# Allegro board PSU-C2-6Layers-Aug8.brd (continued)
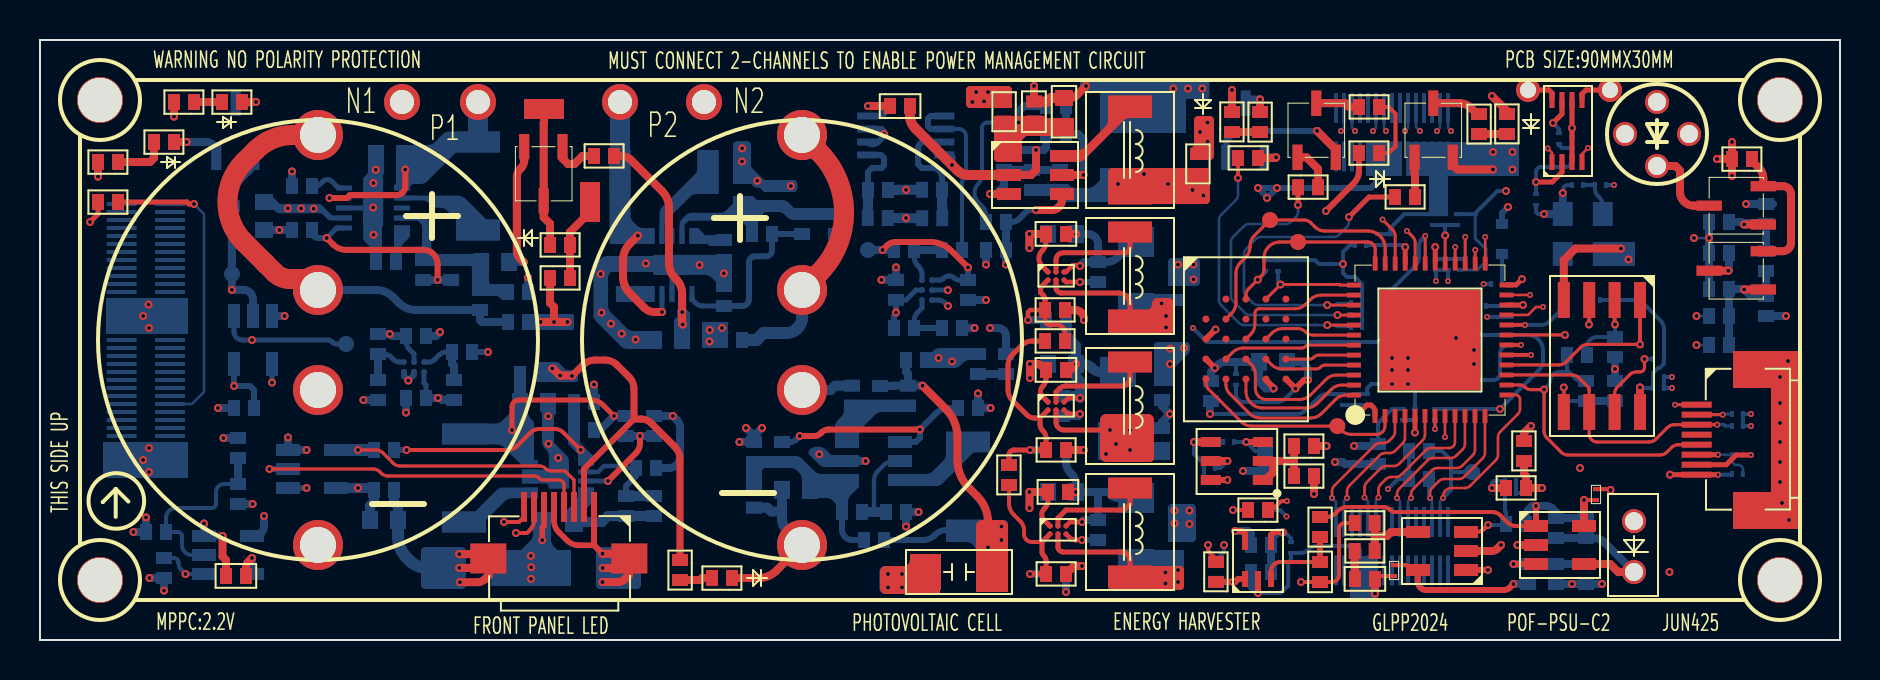
[diagram p0: board, top side]
## Routing (per net, layer and track width the routed paths; a pad name or vN(x,y) marks a point on that pad's centre or on a via; arc(x,y) is an arc through that point) (continued)
EIO-6: length 9
  TOP w0.15: U4.26 v2(71.76,19.5)
  SIG1 w0.127: v2(69,25.45) 69,24.31 arc(69.03,24.16) 69.11,24.04 71.65,21.5 arc(71.73,21.38) 71.76,21.23 v2(71.76,19.5)
  BOTTOM w0.127: v2(69,25.45) 68.8,25.65 J6.10
EIO-7: length 9.2
  TOP w0.15: v2(70.76,19.65) U4.28
  SIG1 w0.127: v2(67.3,25.45) 67.3,24.31 arc(67.33,24.16) 67.41,24.04 70.65,20.8 arc(70.73,20.68) 70.76,20.53 v2(70.76,19.65)
  BOTTOM w0.127: J6.18 67.2,25.55 v2(67.3,25.45)
EIO-8: length 12.9
  TOP w0.15: v2(69.26,20.2) U4.31
  SIG1 w0.127: v2(66.65,25.45) 66.65,23.76 arc(66.68,23.61) 66.76,23.49 69.15,21.1 arc(69.23,20.98) 69.26,20.83 v2(69.26,20.2)
  BOTTOM w0.127: v2(66.65,25.45) 66.8,25.6 J6.20
  BOTTOM w0.2: R23.2 67.45,17.17 arc(67.49,17.37) 67.61,17.55 68.77,18.71 arc(68.9,18.91) 68.95,19.14 68.95,19.69 arc(68.99,19.87) 69.09,20.03 v2(69.26,20.2)
EXT_24MHZ: length 5.8
  TOP w0.2: U4.20 v2(74.25,15.75)
  BOTTOM w0.2: v2(74.25,15.75) 75.05,15.75 arc(75.28,15.8) 75.48,15.93 75.96,16.41 arc(76.09,16.61) 76.14,16.84 Y2.3
FF2_SCK: length 14.4
  TOP w0.16: v2(83.86,10.77) J1.3 81.71,10.77 arc(81.53,10.73) 81.38,10.63 80.79,10.04 arc(80.63,9.94) 80.45,9.9 77.85,9.9 arc(77.58,10.02) 77.46,10.29 U5.6 77.46,12.49 77.45,12.5 77.45,12.6 76.94,13.11 arc(76.78,13.22) 76.6,13.25 U4.15
  BOTTOM w0.16: v2(83.86,10.77) 84.2,10.77 84.27,10.7 R77.1
FF2_SS: length 17.4
  TOP w0.16: J1.2 v2(84.13,11.27) ; v1(80,14.78) 77.38,14.78 arc(77.19,14.74) 77.04,14.64 76.29,13.89 arc(76.14,13.79) 75.95,13.75 U4.16
  TOP w0.2: U5.1 v1(80,14.78)
  SIG1 w0.16: v2(84.13,11.27) 84.13,11.78 arc(83.97,12.18) 83.56,12.35 83.12,12.35 arc(82.57,12.57) 82.35,13.12 82.35,13.45 arc(82.31,13.63) 82.21,13.79 81.36,14.64 arc(81.21,14.74) 81.02,14.78 v1(80,14.78)
  BOTTOM w0.16: v2(84.13,11.27) 84.17,11.3 R51.1
FL2_MISO: length 3.9
  TOP w0.2: U5.2 78.73,15.87 78.75,15.85 v1(78.75,15.78)
  BOTTOM w0.2: v1(78.75,15.78) R69.1 77.85,15.15 arc(77.5,15) 77.35,14.65 R66.1
FL2_MOSI: length 4.4
  TOP w0.16: U5.5 v1(76.19,12.63)
  BOTTOM w0.2: R74.2 76.44,11.95 arc(76.36,11.97) 76.28,12.02 76.26,12.04 arc(76.21,12.12) 76.19,12.2 v1(76.19,12.63)
  BOTTOM w0.4: R74.2 R76.2
FL2_RST: length 3.9
  TOP w0.16: U5.7 78.73,12.31 arc(78.77,12.49) 78.87,12.65 79.49,13.27 arc(79.65,13.37) 79.83,13.41 80.01,13.41 arc(80.16,13.47) 80.22,13.62 v1(80.22,14.05)
  BOTTOM w0.2: R68.1 v1(80.22,14.05)
FL2_WP: length 2.5
  TOP w0.2: v1(77.45,15.77) 77.45,15.95 77.46,15.96 U5.3
  BOTTOM w0.2: R45.1 v1(77.45,15.77)
FP2_RST: length 18.1
  TOP w0.127: 70.25,11.2 v2(70.25,10.15)
  TOP w0.25: J1.6 v2(83.9,9.27)
  SIG1 w0.127: v2(70.25,10.15) 70.64,10.15 arc(70.79,10.12) 70.91,10.04 71.29,9.66 arc(71.41,9.58) 71.56,9.55 79.94,9.55 arc(80.09,9.52) 80.21,9.44 80.27,9.38 arc(80.4,9.3) 80.54,9.27 v2(83.9,9.27)
  BOTTOM w0.127: R18.2 85.14,8.61 85,8.75 84.75,8.75 84.61,8.89 C8.2 84.26,9.25 84.24,9.27 v2(83.9,9.27)
FP2_SI: length 12.7
  TOP w0.16: J1.1 v2(81.75,11.77)
  TOP w0.2: U4.17 v2(74.55,14.25)
  SIG1 w0.16: v2(81.75,11.77) 81.62,11.63 arc(81.5,11.55) 81.35,11.53 80.6,11.53 80.59,11.54 79.96,11.54 79.94,11.55 79.45,11.55 arc(79.27,11.59) 79.11,11.69 78.89,11.91 arc(78.79,12.07) 78.75,12.25 v1(78.75,13.55) 78.54,13.76 arc(78.38,13.86) 78.2,13.9 75.1,13.9 arc(74.92,13.94) 74.76,14.04 v2(74.55,14.25)
  BOTTOM w0.4: R69.2 v1(78.75,13.55) R76.1
FP2_SO: length 16
  TOP w0.16: J1.5 81.91,9.77 arc(81.73,9.73) 81.58,9.63 81.34,9.39 arc(81.18,9.29) 81,9.25 76.4,9.25 arc(76.22,9.29) 76.06,9.39 75.34,10.11 arc(75.24,10.27) 75.2,10.45 v1(75.2,12.52) 74.53,12.52 arc(74.39,12.55) 74.28,12.62 74.25,12.65 arc(74.14,12.72) 74,12.75 U4.14
  BOTTOM w0.2: v1(75.2,12.52) 75.41,12.73 arc(75.48,12.83) 75.5,12.95 arc(75.63,13.27) 75.95,13.4 76.35,13.4 ; R74.1 77.08,12.95 arc(76.91,12.98) 76.77,13.08 76.45,13.4 76.35,13.4 ; 76.35,13.4 R66.2
IOB_23B: length 10.5
  TOP w0.127: v2(75.15,16.65) 74.8,16.65 74.4,16.25 U4.21
  SIG1 w0.127: v1(82.82,16.2) 82.48,16.54 arc(82.36,16.62) 82.22,16.65 v2(75.15,16.65)
  BOTTOM w0.127: R15.1 v1(82.82,16.2)
IOT_37A: length 19.2
  TOP w0.127: U4.23 v2(74.5,17.25) ; U23.1 75.6,24.36 v2(75.38,24.58)
  SIG1 w0.127: v2(74.5,17.25) 74.74,17.49 arc(74.82,17.61) 74.85,17.76 74.85,18.4 arc(74.76,18.61) 74.55,18.7 73.36,18.7 arc(73.21,18.73) 73.09,18.81 72.91,18.99 arc(72.83,19.11) 72.8,19.26 72.8,21.84 arc(72.77,21.99) 72.69,22.11 70.66,24.14 arc(70.58,24.26) 70.55,24.41 v2(70.55,25.45) 70.73,25.45 arc(70.88,25.42) 71,25.34 71.13,25.21 arc(71.25,25.13) 71.4,25.1 74.04,25.1 arc(74.19,25.07) 74.31,24.99 74.61,24.69 arc(74.73,24.61) 74.88,24.58 v2(75.38,24.58)
  BOTTOM w0.127: v2(70.55,25.45) 70.4,25.6 J6.2
LD_PWR_EN: length 10.9
  TOP w0.2: U4.18 v2(74.05,14.75)
  BOTTOM w0.2: v2(74.05,14.75) 73.45,14.75 arc(73.13,14.62) 73,14.3 73,13.33 arc(72.9,13.1) 72.67,13 70.5,13 arc(70.11,13.16) 69.95,13.55 69.95,16.65 arc(69.88,16.83) 69.7,16.9 R22.2
LDO22-1: length 39.8
  TOP w0.4: C15.1 10.3,3.63 arc(10.33,3.79) 10.42,3.92 v1(10.6,4.1)
  SIG1 w0.3: v1(15.9,7.6) 15.36,7.06 arc(15.07,6.87) 14.73,6.8 13.27,6.8 arc(12.93,6.73) 12.64,6.54 11.63,5.53 arc(11.35,5.34) 11.02,5.27 10.6,5.27
  SIG1 w0.4: v1(13.68,21.57) 13.06,21.57 v1(13.05,21.58) 13.05,21.58 v1(12.39,21.58) 9.56,21.58 arc(9.21,21.52) 8.92,21.32 8.51,20.91 arc(8.32,20.62) 8.25,20.28 8.25,12.7 ; 8.25,12.7 7.81,12.26 arc(7.62,11.97) 7.55,11.63 7.55,8.7 arc(7.62,8.35) 7.81,8.06 10.6,5.27 v1(10.6,4.1) ; 8.25,12.7 v1(9.7,12.7)
  BOTTOM w0.3: U17.5 v1(9.7,12.7) 10.5,12.7 10.7,12.5 C55.1
  BOTTOM w0.4: U22.5 v1(10.6,4.1)
  BOTTOM w0.5: C64.1 16.5,6.71 16.7,6.91 C59.1 16.6,7.6 v1(15.9,7.6) U20.5
LDO22-2: length 84.5
  TOP w0.4: v1(32.14,15.78) 32.11,15.81 v1(32.11,16.39) 32.11,17.32 arc(32.03,17.71) 31.81,18.04 31.75,18.1 arc(31.53,18.43) 31.45,18.82 31.45,21.6 arc(31.36,22.06) 31.1,22.45 29.55,24 arc(29.33,24.15) 29.07,24.2 R128.2 ; C1.1 v1(41.4,26.7)
  VCC w0.4: 26.4,17.3 31.7,17.3 32.11,16.89 v1(32.11,16.39) 32.14,16.36 v1(32.14,15.78) ; 26.4,17.3 22.15,17.3 21.35,16.5 18.3,16.5 17.49,15.69 v1(17.49,15.3) 17.49,14.39 17.15,14.05 17.15,12.52 v1(18.3,11.37) ; 26.4,17.3 26.4,20.8 27.8,22.2 32.65,22.2 34.2,20.65 38.7,20.65 42.05,24 44.35,24 44.4,24.05 ; 44.4,24.05 44.4,17.98 v1(42.8,16.38) 43.38,15.8 45.7,15.8 46.53,16.63 46.93,16.63 v1(47.3,17) ; 44.4,24.05 44.4,25 42.7,26.7 v1(41.4,26.7)
  BOTTOM w0.25: U18.B1 18.7,14.3 18.46,14.54 arc(18.34,14.72) 18.3,14.93 C43.2 ; U16.B1 43.79,17.49 43.3,17 42.8,17 C38.2
  BOTTOM w0.3: U13.8 42.1,26.2 42.2,26.3 42.2,26.57 42.07,26.7 v1(41.4,26.7) ; R67.1 42.7,16.19 42.8,16.29 v1(42.8,16.38) C38.2
  BOTTOM w0.4: C43.2 17.59,15.2 v1(17.49,15.3) R71.1 ; R60.2 v1(47.3,17) ; R82.2 v1(18.3,11.37)
LED0: length 73.7
  TOP w0.15: U4.39 v1(64.36,16.75)
  TOP w0.2: J4.8 24.2,6.15 23.95,5.9 v1(23.2,5.9)
  TOP w0.25: v1(65.45,21.15) 66.45,22.15 R8.1
  SIG1 w0.127: v1(23.2,5.9) 23.2,6.59 arc(23.17,6.74) 23.09,6.86 22.91,7.04 arc(22.83,7.16) 22.8,7.31 22.8,9.24 arc(22.77,9.39) 22.69,9.51 22.46,9.74 arc(22.38,9.86) 22.35,10.01 22.35,10.94 arc(22.38,11.09) 22.46,11.21 23.29,12.04 arc(23.41,12.12) 23.56,12.15 26.54,12.15 arc(26.69,12.12) 26.81,12.04 29.64,9.21 arc(29.76,9.13) 29.91,9.1 37.64,9.1 arc(37.79,9.13) 37.91,9.21 38.64,9.94 arc(38.76,10.02) 38.91,10.05 39.84,10.05 arc(39.99,10.08) 40.11,10.16 41.69,11.74 arc(41.81,11.82) 41.96,11.85 44.39,11.85 arc(44.54,11.88) 44.66,11.96 45.09,12.39 arc(45.17,12.51) 45.2,12.66 45.2,12.79 arc(45.23,12.94) 45.31,13.06 45.49,13.24 arc(45.61,13.32) 45.76,13.35 47.69,13.35 arc(47.84,13.32) 47.96,13.24 49.09,12.11 arc(49.21,12.03) 49.36,12 49.84,12 arc(49.99,12.03) 50.11,12.11 51.09,13.09 arc(51.21,13.17) 51.36,13.2 52.39,13.2 arc(52.54,13.17) 52.66,13.09 52.84,12.91 arc(52.96,12.83) 53.11,12.8 56.49,12.8 arc(56.64,12.83) 56.76,12.91 58.44,14.59 arc(58.56,14.67) 58.71,14.7 59.14,14.7 arc(59.29,14.73) 59.41,14.81 59.74,15.14 arc(59.82,15.26) 59.85,15.41 59.85,15.99 arc(59.88,16.14) 59.96,16.26 60.33,16.63 arc(60.46,16.72) 60.6,16.75 v1(64.36,16.75)
  BOTTOM w0.127: v1(65.45,21.15) 65.45,20.92 arc(65.42,20.77) 65.34,20.65 64.95,20.26 arc(64.83,20.18) 64.68,20.15 61.06,20.15 arc(60.91,20.12) 60.79,20.04 60.31,19.56 arc(60.23,19.44) 60.2,19.29 60.2,17.46 arc(60.23,17.31) 60.31,17.19 60.64,16.86 arc(60.77,16.78) 60.91,16.75 v1(64.36,16.75) 64.69,16.75 arc(64.75,16.76) 64.79,16.79 64.81,16.81 arc(64.86,16.84) 64.92,16.85 R12.2
LED1: length 69.6
  TOP w0.15: U4.40 v1(64.87,16.25)
  TOP w0.2: v1(23.8,5.35) 24.35,5.35 24.49,5.49 arc(24.65,5.72) 24.7,5.99 J4.7
  TOP w0.25: R7.1 v1(62.9,21.75)
  SIG1 w0.127: v1(64.87,16.25) 61.14,16.25 arc(60.72,16.07) 60.55,15.66 60.55,15.06 arc(60.52,14.91) 60.44,14.79 59.76,14.11 arc(59.68,13.99) 59.65,13.84 59.65,13.3 arc(59.54,13.03) 59.27,12.93 57.83,12.93 arc(57.69,12.9) 57.56,12.81 57.16,12.41 arc(57.04,12.33) 56.89,12.3 52.81,12.3 arc(52.66,12.33) 52.54,12.41 52.31,12.64 arc(52.19,12.72) 52.04,12.75 51.66,12.75 arc(51.51,12.72) 51.39,12.64 50.26,11.51 arc(50.14,11.43) 49.99,11.4 49.31,11.4 arc(49.16,11.43) 49.04,11.51 47.69,12.86 arc(47.65,12.89) 47.6,12.9 46.34,12.9 arc(45.99,12.76) 45.85,12.41 45.85,12.36 arc(45.82,12.21) 45.74,12.09 45.06,11.41 arc(44.94,11.33) 44.79,11.3 42.61,11.3 arc(42.46,11.27) 42.34,11.19 39.69,8.54 arc(39.56,8.45) 39.42,8.43 29.48,8.43 arc(29.34,8.45) 29.21,8.54 27.26,10.49 arc(27.14,10.57) 26.99,10.6 25.01,10.6 arc(24.86,10.57) 24.74,10.49 24.31,10.06 arc(24.23,9.94) 24.2,9.79 24.2,5.91 arc(24.17,5.76) 24.09,5.64 v1(23.8,5.35)
  BOTTOM w0.127: v1(62.9,21.75) 62.9,21.41 arc(62.87,21.26) 62.79,21.14 62.56,20.91 arc(62.44,20.83) 62.29,20.8 60.46,20.8 arc(60.31,20.77) 60.19,20.69 59.66,20.16 arc(59.58,20.04) 59.55,19.89 59.55,17.21 arc(59.58,17.06) 59.66,16.94 60.24,16.36 arc(60.37,16.28) 60.51,16.25 v1(64.87,16.25) 64.88,16.25 R14.2
LED2: length 30.9
  TOP w0.15: U4.41 v1(64.36,15.75)
  TOP w0.2: R6.1 v1(59.9,23.1)
  SIG1 w0.127: v1(64.36,15.75) 61.8,15.75 arc(61.66,15.72) 61.53,15.63 61.31,15.41 arc(61.23,15.29) 61.2,15.14 61.2,13.91 arc(61.17,13.76) 61.09,13.64 59.76,12.31 arc(59.64,12.23) 59.49,12.2 58.26,12.2 arc(58.11,12.17) 57.99,12.09 57.71,11.81 arc(57.63,11.69) 57.6,11.54 57.6,11.26 arc(57.63,11.11) 57.71,10.99 58.39,10.31 arc(58.51,10.23) 58.66,10.2 58.94,10.2 arc(59.09,10.17) 59.21,10.09 60.04,9.26 arc(60.12,9.14) 60.15,8.99 v1(60.15,8.45)
  BOTTOM w0.127: R13.2 64.91,15.65 arc(64.85,15.66) 64.81,15.69 64.79,15.71 arc(64.75,15.74) 64.7,15.75 v1(64.36,15.75) 60.21,15.75 arc(60.07,15.78) 59.94,15.86 59.06,16.74 arc(58.98,16.86) 58.95,17.01 58.95,20.99 arc(58.98,21.14) 59.06,21.26 59.79,21.99 arc(59.87,22.11) 59.9,22.26 v1(59.9,23.1)
  BOTTOM w0.4: R91.2 v1(60.15,8.45)
LOCK_EN: length 22.4
  TOP w0.16: v1(11.47,8.55) 16.65,8.55 arc(16.83,8.51) 16.99,8.41 17.06,8.34 arc(17.22,8.24) 17.4,8.2 24.72,8.2 arc(24.84,8.18) 24.94,8.11 24.96,8.09 arc(25.06,8.02) 25.18,8 25.95,8 arc(26.13,7.93) 26.2,7.75 J4.4
  SIG1 w0.2: v1(11.47,8.55) 11.47,12.36 11.6,12.48 v1(11.6,12.87)
  BOTTOM w0.25: U17.4 v1(11.6,12.87)
  BOTTOM w0.3: U20.2 v1(11.47,8.55)
P5033: length 41.8
  SIG1 w0.4: v1(61.35,22.1) 61.35,21.5 arc(61.13,20.97) 60.6,20.75 54.57,20.75 arc(54.23,20.82) 53.94,21.01 53.66,21.29 arc(53.37,21.48) 53.03,21.55 52.17,21.55 arc(51.83,21.62) 51.54,21.81 50.45,22.9 arc(49.98,23.1) 49.5,22.9 48.78,22.18 arc(48.61,21.93) 48.55,21.63 48.55,21.57 arc(48.49,21.27) 48.32,21.02 47.86,20.56 arc(47.57,20.37) 47.23,20.3 45.72,20.3 arc(45.38,20.23) 45.09,20.04 44.31,19.26 arc(44.12,18.97) 44.05,18.63 44.05,16.27 arc(44.12,15.93) 44.31,15.64 44.66,15.29 arc(44.86,14.99) 44.93,14.65 v1(44.93,14.1) 45.43,14.1 v1(45.6,13.93) ; v1(61.35,22.1) 60.9,22.55 v1(60.9,22.6) v1(61.85,22.6) v1(61.35,22.1)
  VCC w0.3: v1(44.93,14.1) 45.43,14.1 v1(45.6,13.93)
  VCC w0.4: 61.35,22.15 v1(60.9,22.6) v1(61.85,22.6) v1(61.35,22.1) 61.35,22.15
  GND2 w0.127: v1(61.85,22.6) v1(61.35,22.1)
  BOTTOM w0.3: J6.19 66.8,22.85 66.55,22.6 v1(61.85,22.6) ; v1(61.85,22.6) v1(61.35,22.1) 61.35,22.15 v1(60.9,22.6) v1(61.85,22.6)
P5033_PRE: length 17
  TOP w0.4: v1(44.13,12.71) 45.29,11.56 arc(45.72,10.91) 45.87,10.14 45.87,9.01 arc(46.02,8.24) 46.46,7.59 46.86,7.19 arc(47.26,6.59) 47.4,5.89 v1(47.4,4.63)
  BOTTOM w0.3: L11.2 45.32,5.5 arc(45.02,5.44) 44.77,5.27 44.73,5.23 arc(44.48,5.06) 44.18,5 R113.1
  BOTTOM w0.4: R73.1 43.3,13.41 43.4,13.31 R80.1 ; R80.1 v1(44.13,12.71) ; R80.1 42.61,12.71 42.59,12.7 C49.2
  vias: v1(48.07,5.67) v1(48.07,5)
PSU_UART_TX: length 10.9
  TOP w0.16: U4.19 v1(76.25,15.25)
  SIG1 w0.16: v1(82.82,14.75) 81.96,15.61 arc(81.81,15.71) 81.62,15.75 80,15.75 arc(79.82,15.71) 79.66,15.61 79.15,15.1 arc(79,15) 78.82,14.96 76.72,14.96 arc(76.55,15) 76.4,15.1 v1(76.25,15.25)
  BOTTOM w0.127: R50.1 v1(82.82,14.75)
RAM_ADQ0: length 7.3
  TOP w0.15: U4.46 64.83,13.25 arc(64.54,13.19) 64.3,13.03 63.52,12.25 arc(63.27,12.08) 62.99,12.03 61.32,12.03 arc(60.93,12.19) 60.77,12.57 60.77,13.26 arc(60.71,13.55) 60.55,13.79 U3.D3
RAM_ADQ1: length 6.6
  TOP w0.15: U4.43 63.43,14.75 arc(63.35,14.73) 63.28,14.68 63.26,14.66 arc(63.19,14.62) 63.11,14.6 60.16,14.6 arc(59.87,14.54) 59.63,14.38 U3.D2
RAM_ADQ2: length 4.7
  TOP w0.15: U4.42 63.65,15.25 arc(63.45,15.29) 63.28,15.4 63.26,15.42 arc(63.09,15.53) 62.9,15.57 62.13,15.57 arc(61.84,15.51) 61.6,15.35 U3.C4
RAM_ADQ3: length 4.6
  TOP w0.15: U4.45 64.25,13.75 arc(64.14,13.72) 64.04,13.66 64.02,13.64 arc(63.93,13.58) 63.82,13.55 62.1,13.55 arc(61.81,13.61) 61.57,13.77 U3.D4
RAM_ADQ4: length 3.5
  TOP w0.15: U4.44 63.93,14.25 arc(63.82,14.22) 63.72,14.16 63.7,14.14 arc(63.6,14.07) 63.48,14.05 U3.D5
RAM_ADQ5: length 6.9
  TOP w0.15: U4.47 65.09,12.75 arc(64.8,12.69) 64.56,12.53 63.85,11.82 arc(63.61,11.66) 63.32,11.6 61.14,11.6 arc(60.54,11.85) 60.3,12.44 U3.E3
RAM_ADQ6: length 7.9
  TOP w0.15: U3.E2 59.3,12.76 arc(59.34,12.52) 59.48,12.32 60.48,11.32 arc(60.72,11.16) 61.01,11.1 63.54,11.1 arc(63.83,11.16) 64.07,11.32 64.78,12.03 arc(65.02,12.19) 65.31,12.25 U4.48
RAM_ADQ7: length 11
  TOP w0.15: 67.25,11.2 67.25,10.7 arc(67.13,10.4) 66.83,10.28 65.56,10.28 arc(65.3,10.33) 65.09,10.48 TP9.1 60.58,10.7 arc(60.29,10.75) 60.05,10.92 58.42,12.55 arc(58.33,12.68) 58.3,12.84 U3.E1
RAM_CE: length 9.9
  TOP w0.16: U3.A3 60.3,17.25 arc(60.33,17.41) 60.42,17.55 v1(60.89,18.01) 61.05,18.18 arc(61.16,18.34) 61.2,18.53 61.2,19.1 arc(61.43,19.67) 62,19.9 TP2.1 66.39,19.9 arc(66.65,19.79) 66.76,19.52 U4.36
  BOTTOM w0.2: R55.1 61.25,18.38 v1(60.89,18.01)
RAM_CLK: length 12.9
  TOP w0.16: U4.35 67.26,19.58 arc(67.01,20.2) 66.39,20.45 64.24,20.45 arc(63.97,20.5) 63.75,20.65 63.54,20.86 arc(63.39,20.96) 63.2,21 TP1.1 60.72,20.22 arc(60.56,19.98) 60.5,19.69 60.5,19.66 arc(60.44,19.37) 60.28,19.13 60.03,18.88 arc(59.86,18.62) 59.8,18.32 59.8,16.88 arc(59.74,16.57) 59.56,16.31 U3.B2
RAM_DQS: length 6.7
  TOP w0.15: U4.38 64.05,17.25 arc(63.77,17.19) 63.52,17.03 63.28,16.78 arc(63.03,16.62) 62.75,16.56 60.96,16.56 arc(60.81,16.5) 60.75,16.35 60.75,15.8 arc(60.69,15.52) 60.53,15.28 U3.C3
RAM_RST: length 5.4
  TOP w0.15: U4.37 65,17.75 64.97,17.77 v1(62.03,17.77) U3.A4
  BOTTOM w0.2: v1(62.03,17.77) 61.9,17.9 R57.1
RX_PWR_EN: length 2.6
  TOP w0.3: U7.3 v1(60.31,9.9)
  BOTTOM w0.2: R91.1 60.76,9.45 v1(60.31,9.9) R92.1
SIG_ALIVE: length 19.1
  SIG1 w0.22: v1(9.6,17.51) 9.6,14.88 arc(9.67,14.49) 9.89,14.16 10.51,13.54 arc(10.65,13.33) 10.7,13.08 10.7,12.28 arc(10.66,12.07) 10.54,11.89 10.51,11.86 arc(10.39,11.68) 10.35,11.47 10.35,8.77 arc(10.4,8.52) 10.54,8.31 11.29,7.56 arc(11.55,6.93) 11.29,6.29 v1(11.2,6.2)
  BOTTOM w0.127: 9.6,18.3 TP20.1
  BOTTOM w0.3: 9.6,18.91 9.6,18.89 ; 9.6,18.3 TP20.1
  BOTTOM w0.4: U22.4 10.9,5.2 11.08,5.38 arc(11.17,5.51) 11.2,5.67 v1(11.2,6.2) ; U17.2 10.65,17.02 arc(10.51,17.36) 10.16,17.51 v1(9.6,17.51) 9.6,18.89 ; R42.2 9.6,18.91
SPI_VCCIO1: length 2.7
  TOP w0.24: U4.22 v1(74.15,16.75)
  BOTTOM w0.2: FB3.2 C40.1 C41.1 74.1,16.7 v1(74.15,16.75)
UV_SHDN: length 46.6
  TOP w0.3: v1(42.13,19.5) 42.35,19.72 arc(42.55,19.85) 42.78,19.9 44.51,19.9 arc(45.08,19.79) 45.57,19.46 v1(46.4,18.63)
  SIG1 w0.2: v1(13.33,7.6) 13.79,7.6 arc(14.17,7.68) 14.49,7.89 14.81,8.21 arc(15.13,8.42) 15.51,8.5 19.59,8.5 arc(19.97,8.58) 20.29,8.79 21.06,9.56 arc(21.27,9.88) 21.35,10.26 21.35,11.04 arc(21.43,11.42) 21.64,11.74 24.01,14.11 arc(24.33,14.32) 24.71,14.4 27.14,14.4 arc(27.52,14.32) 27.84,14.11 28.51,13.44 arc(28.83,13.23) 29.21,13.15 35.14,13.15 arc(35.52,13.23) 35.84,13.44 36.91,14.51 arc(37.23,14.72) 37.61,14.8 39.79,14.8 arc(40.17,14.88) 40.49,15.09 41.01,15.61 arc(41.22,15.93) 41.3,16.31 41.3,18.67 arc(41.54,19.26) v1(42.13,19.5)
  BOTTOM w0.25: R60.1 45.93,18 arc(45.82,18.02) 45.73,18.08 45.69,18.12 arc(45.6,18.18) 45.49,18.2 45.42,18.2 arc(45.31,18.18) 45.21,18.11 45.18,18.08 arc(45.08,18.02) 44.97,17.99 U16.C2
  BOTTOM w0.3: R60.1 v1(46.4,18.63) ; U20.1 v1(13.33,7.6)
  BOTTOM w0.4: TP15.1 v1(42.13,19.5) R52.2
VCAP: length 56.9
  TOP w0.3: J4.2 27.2,8.55 29.7,11.05
  TOP w0.35: v1(26.6,13.2) 27.15,13.75 arc(27.43,13.94) 27.75,14 28.25,14 arc(28.57,13.94) 28.85,13.75 29.45,13.15 arc(29.64,12.87) 29.7,12.55 29.7,11.05 30.05,11.05 arc(30.33,11) 30.56,10.84 31.74,9.66 arc(31.93,9.37) 32,9.03 R16.1
  TOP w0.4: v1(25.7,15.9) v1(26.37,15.9) ; v1(25.7,15.9) 25.7,16.65 25.5,16.85 R127.1 ; v1(25.7,15.9) v1(25.03,15.9) ; v1(26.6,13.2) 26.58,13.22 v1(26,13.22) 25.65,13.57 v1(25.61,13.57)
  VCC w0.4: v1(33.47,14.93) 33.49,14.94 v1(33.49,15.5) 33.59,15.6 v1(34.1,15.6) ; v1(33.47,14.93) 39.73,14.93 40.9,16.1 40.9,20.1 41.9,21.1 v1(43.3,21.1) ; v1(33.47,14.93) 32.65,14.1 26.6,14.1 ; 26.6,14.1 v1(26.6,13.2) 26.58,13.22 v1(26,13.22) 25.96,13.22 v1(25.61,13.57) 25.61,14.64 25.03,15.22 v1(25.03,15.9) v1(25.7,15.9) v1(26.37,15.9) 26.37,15.08 26.6,14.85 26.6,14.1
  BOTTOM w0.5: R44.2 v1(43.3,21.1) 43.31,21.09 R43.2
VCAP2: length 1.7
  BOTTOM w0.6: R47.1 R48.1
N478267: length 7.7
  TOP w0.3: v1(14.47,22.1) 15.35,22.1 15.49,22.24 17.84,22.24 arc(17.98,22.27) 18.11,22.36 18.15,22.4 arc(18.23,22.52) 18.26,22.67 v1(18.26,23.52)
  BOTTOM w0.25: U14.4 v1(14.47,22.1)
  BOTTOM w1: L6.1 TP13.1
N478345: length 10.4
  TOP w0.3: v1(14.33,20.1) 14.66,19.77 arc(14.95,19.58) 15.3,19.51 19.16,19.51 arc(19.67,19.3) 19.88,18.79 v1(19.88,18.01)
  BOTTOM w0.25: v1(14.33,20.1) 14.83,20.6 U14.1
  BOTTOM w0.3: v1(14.33,20.1) 13.91,20.1 arc(13.69,20.19) 13.6,20.41 R49.1
  BOTTOM w0.4: C33.2 v1(19.88,18.01) 19.7,18.01 19.69,18 R56.2
N478369: length 1.9
  BOTTOM w0.25: R38.1 13.78,22.7 arc(13.9,22.72) 14,22.79 14.13,22.92 arc(14.37,23.02) 14.6,22.92 14.85,22.68 arc(14.93,22.62) 15.04,22.6 U14.5
N479121: length 23.6
  TOP w1: C5.1 13.35,18.05 12.5,18.05 arc(12.08,18.13) 11.73,18.37 11.27,18.83 10.2,19.9 arc(9.37,21.9) 10.2,23.9 10.79,24.49 arc(11.63,25.05) 12.62,25.25 C5.3
  BOTTOM w0.4: R65.2 22.1,15.9 22,16 R63.1 18.8,16.5 arc(18.34,16.59) 17.95,16.85 17.65,17.15 arc(17.26,17.41) 16.8,17.5 C5.1
N485107: length 9.6
  TOP w0.4: v1(31.1,16.4) 30.72,16.4 arc(30.45,16.45) 30.22,16.61 29.5,17.33 arc(29.24,17.72) 29.15,18.18 29.15,18.99 arc(29.24,19.44) 29.49,19.82 v1(29.89,20.22)
  BOTTOM w0.25: U15.4 v1(31.1,16.4)
  BOTTOM w1: L5.1 TP12.1
N485373: length 9.1
  BOTTOM w0.25: U15.1 32.6,17.03 32.78,16.85 arc(32.94,16.74) 33.13,16.7 R62.1
  BOTTOM w0.3: R62.1 35.1,16.7 arc(35.35,16.8) 35.45,17.04 35.45,18.89 arc(35.54,19.1) 35.75,19.19 36.3,19.19 arc(36.51,19.27) 36.6,19.49 C28.2 R48.2
N486717: length 17.5
  TOP w1: C6.3 38.95,24.4 arc(40.2,21.38) 38.95,18.35 C6.1
  BOTTOM w0.6: R70.1 35.83,15 36.18,15.35 37.35,15.35 arc(37.61,15.4) 37.82,15.54 37.91,15.63 arc(38.05,15.84) 38.1,16.1 C6.1 39.45,18.85 arc(39.71,19.24) 39.8,19.69 R47.2
N813698: length 10
  TOP w0.25: v1(28.7,11.2) 28.12,11.78 arc(27.88,11.94) 27.59,12 23.95,12 arc(23.7,11.9) 23.6,11.65 v1(23.6,10.5)
  BOTTOM w0.4: R89.2 28,10.5 v1(28.7,11.2) R87.2
  BOTTOM w0.6: R78.1 C52.1
N813852: length 4.1
  BOTTOM w0.5: L12.1 28.1,5.9 28.4,6.2 R105.2 C62.1
N813884: length 5.4
  TOP w0.3: v1(28.4,7.95) 29.79,9.34 arc(29.95,9.57) 30,9.84 v1(30,10.2)
  BOTTOM w0.25: U21.7 v1(28.4,7.95)
  BOTTOM w0.4: R88.2 v1(30,10.2) R87.1
N813992: length 48.7
  TOP w0.2: v1(27.03,9.5) 26.16,10.37 arc(25.97,10.5) 25.74,10.55 24.95,10.55 arc(24.72,10.5) 24.52,10.37 23.83,9.68 arc(23.63,9.55) 23.4,9.5 v1(18.33,9.5) ; R100.2 v1(59.65,6.5)
  SIG1 w0.2: v1(27.03,9.5) 27.03,7.9 arc(27.21,7.48) 27.63,7.3 34.6,7.3 arc(34.83,7.35) 35.03,7.48 35.07,7.52 arc(35.27,7.65) 35.5,7.7 40.48,7.7 arc(40.59,7.72) 40.69,7.79 40.71,7.81 arc(40.81,7.88) 40.92,7.9 45.03,7.9 arc(45.26,7.95) 45.45,8.08 47.46,10.08 arc(47.65,10.21) 47.88,10.25 49.78,10.25 arc(50.01,10.21) 50.21,10.08 51.79,8.5 arc(51.98,8.37) 52.21,8.33 56.97,8.33 arc(57.2,8.28) 57.4,8.15 58.87,6.68 arc(59.07,6.55) 59.3,6.5 v1(59.65,6.5)
  BOTTOM w0.2: R100.2 v1(59.65,6.5)
  BOTTOM w0.3: R95.1 v1(18.33,9.5)
N814000: length 5.7
  BOTTOM w0.22: R98.2 29.31,8.6 29.21,8.7 28.2,8.7 27.9,8.4 U21.6
  BOTTOM w0.3: R98.2 29.8,8.2 29.3,7.7 R105.1
  BOTTOM w0.5: C62.2 R105.1
N821854: length 5.9
  BOTTOM w0.3: U13.3 44.52,24.9 44.23,24.9 arc(44,24.8) 43.9,24.57 43.9,23.8 44.1,23.6 44.63,23.6 arc(44.96,23.46) 45.1,23.13 R39.2
  BOTTOM w0.5: R39.2 45.1,21.69 45.11,21.68 R43.1
N821870: length 9.2
  BOTTOM w0.2: U13.2 45.95,25.55 arc(46.2,25.45) 46.3,25.2 46.3,23.32 arc(46.28,23.21) 46.21,23.11 46.19,23.09 arc(46.12,22.99) 46.1,22.88 R54.2
  BOTTOM w0.3: U13.1 44.52,26.2 44.4,26.08 44.4,25.68 44.52,25.55 U13.2
N822032: length 4.5
  BOTTOM w0.3: R40.2 41.4,23.4 41.6,23.6 42.07,23.6 42.2,23.73 42.2,24.1 42.05,24.25 U13.5
  BOTTOM w0.5: R44.1 41.39,21.69 41.4,21.7 R40.2
N822044: length 32.4
  SIG1 w0.2: v1(42.2,25.3) 42.2,21.5 arc(42.15,21.27) 42.02,21.07 40.78,19.83 arc(40.65,19.63) 40.6,19.4 40.6,16.55 arc(40.55,16.32) 40.42,16.12 39.98,15.68 arc(39.78,15.55) 39.55,15.5 37.05,15.5 arc(36.82,15.45) 36.62,15.32 35.28,13.98 arc(35.08,13.85) 34.85,13.8 29.5,13.8 arc(29.27,13.85) 29.07,13.98 28.13,14.92 arc(27.93,15.05) 27.7,15.1 23.95,15.1 arc(23.72,15.05) 23.52,14.92 23.18,14.58 arc(22.98,14.45) 22.75,14.4 v1(22.4,14.4)
  BOTTOM w0.3: v1(22.4,14.4) R72.2 ; U13.7 42.07,25.55 42.2,25.42 v1(42.2,25.3) 42.2,25.2 41.9,24.9 arc(41.63,24.79) U13.6
N823149: length 2.9
  BOTTOM w0.25: R67.2 43.7,15.94 arc(43.75,16.18) 43.88,16.38 44.1,16.6 U16.A1
  BOTTOM w0.3: C42.2 R67.2
N823315: length 3
  BOTTOM w0.25: R52.1 43.7,19.17 arc(43.75,18.93) 43.88,18.73 43.94,18.67 arc(44.06,18.49) 44.1,18.28 U16.C1
  BOTTOM w0.4: R54.1 R52.1
N824564: length 2.7
  BOTTOM w0.25: U18.A1 17.98,13.9 arc(17.81,13.93) 17.68,14.02 17.56,14.14 arc(17.38,14.26) 17.18,14.3 R71.2